# KiCad board imx8x_carrier_v1.kicad_pcb (continued)
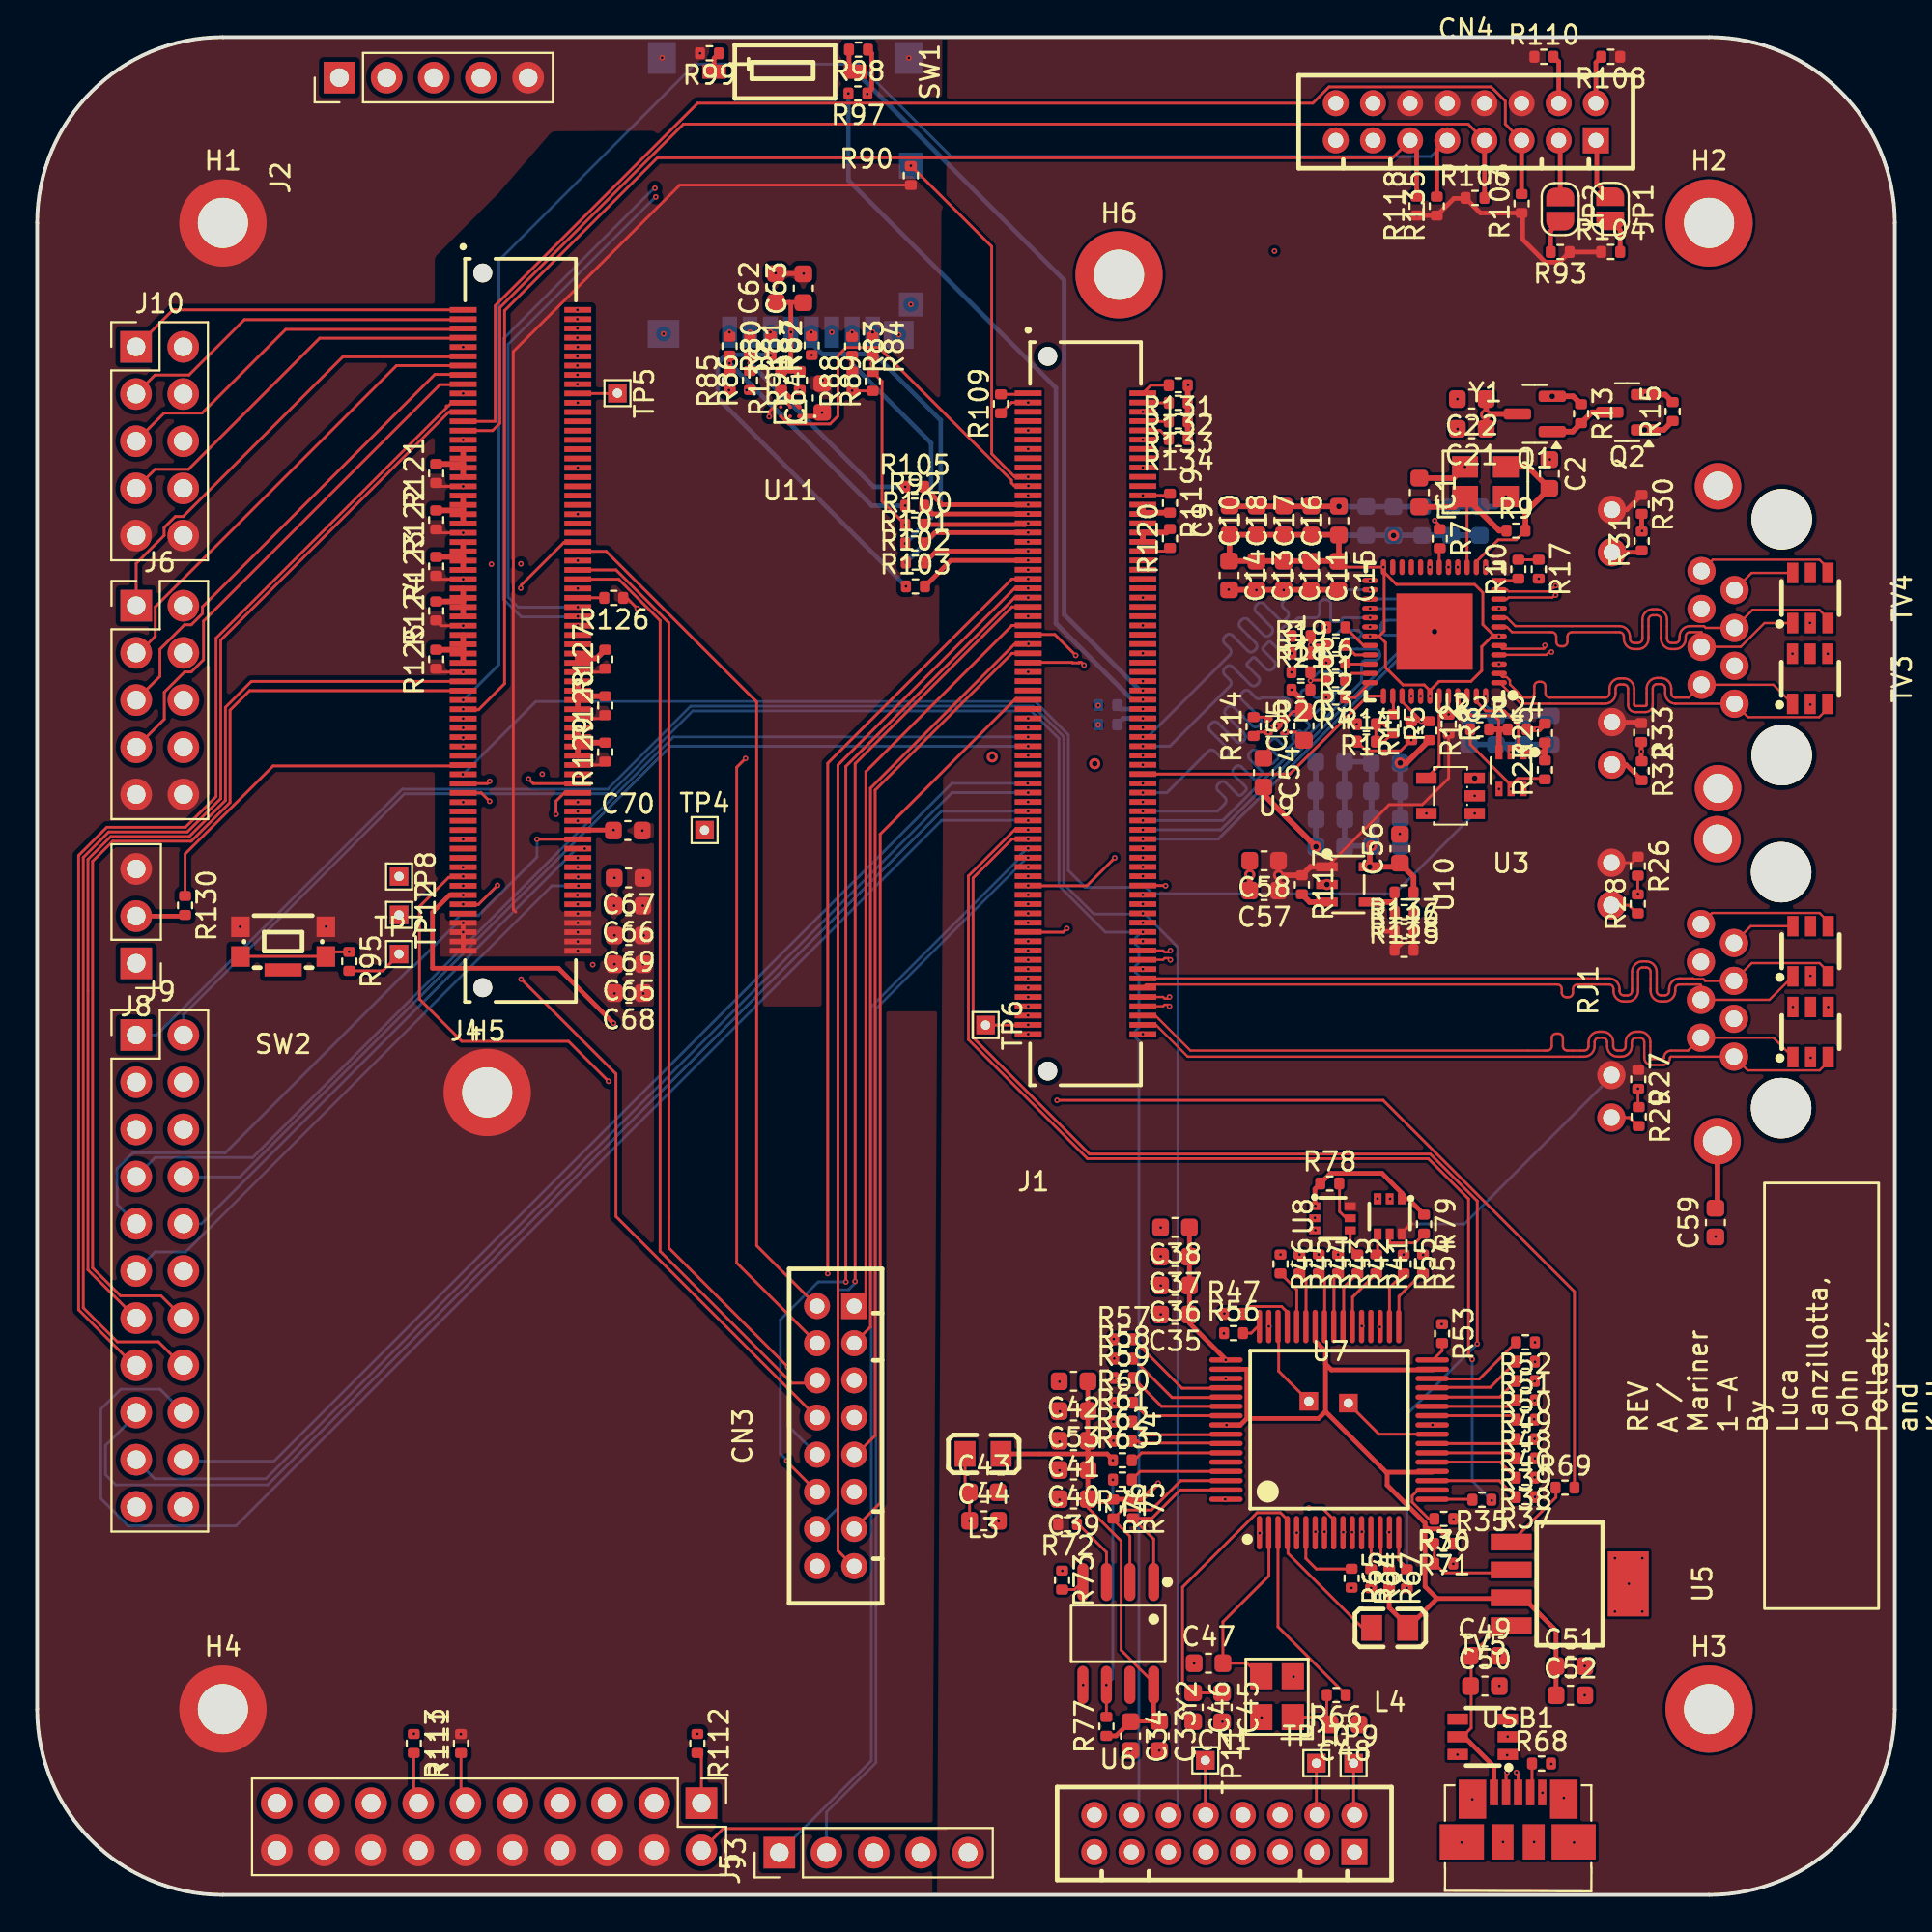
[diagram p0: board, top side]
## Nets (continued)
VCC_LDO_SD1: J1.33 R85.1 R86.1 R87.1 R88.1 R89.1 R91.1
VCC_QSPI_1V8: J4.20 TP5.1
VCC_SCU_1V8: J4.93 R97.1 R98.1
VDD_ADC_1V8: C70.1 J4.114 TP4.1
VDD_ETH_1V0: C9.1 C10.1 C11.1 C12.1 C13.1 C14.1 C15.1 C16.1 C17.1 C18.1 C55.1 Q1.2 R13.1 U1.6 U1.24 U1.31 U1.42 U9.1
/Debug USB - UART/DEBUG_USB_DN: TV5.1 U4.7 USB1.2
/Debug USB - UART/DEBUG_USB_DP: TV5.6 U4.8 USB1.3
/Debug USB - UART/DEBUG_USB_ID: R68.1 USB1.4
/Debug USB - UART/FTDI_OSCI: C47.2 U4.2 Y2.3
/Debug USB - UART/FTDI_OSCO: C48.2 R66.2 Y2.1
/Debug USB - UART/M40_UART0_RX: R41.1 U8.4
/Debug USB - UART/M40_UART0_TX: R42.1 U7.4
ETH1_A_TX_N: RJ2.2 TV3.1 U1.2
ETH1_A_TX_P: RJ2.1 TV3.3 U1.1
ETH1_B_TX_N: RJ2.6 TV3.6 U1.5
ETH1_B_TX_P: RJ2.3 TV3.4 U1.4
ETH1_C_TXCLK_N: RJ2.5 TV4.3 U1.8
ETH1_C_TXCLK_P: RJ2.4 TV4.1 U1.7
ETH1_D_RXDV_N: RJ2.8 TV4.4 U1.11
ETH1_D_RXDV_P: RJ2.7 TV4.6 U1.10
ETH1_LED0: R32.1 R33.2 U3.6
ETH1_LED1: R30.2 R31.2 U3.4
LED0_LINK: R23.2 R25.1 U1.47 U3.1
LED2_ACT: R22.2 R24.1 U1.45 U3.3
SD1_SPWR: R136.1 U11.B1
USB_OTG2_VBUS: J1.02 R131.2
X_ADMA_I2C0_SCL: CN1.8 CN4.1 J4.66 JP1.1
X_ADMA_I2C0_SDA: CN1.6 CN4.3 J4.68 JP2.1
X_ADMA_I2C1_SCL: CN4.5 J4.25 R107.2
X_ADMA_I2C1_SDA: CN4.7 J4.27 R106.2
X_ADMA_I2C2_SCL: CN4.9 J4.85 R135.2
X_ADMA_I2C2_SDA: CN4.11 J4.87 R118.2
X_ADMA_I2C3_SCL: CN4.2 J1.112 R108.2
X_ADMA_I2C3_SDA: CN4.4 J1.107 R110.2
X_ADMA_SPI0_CS0: CN3.1 J1.51
X_ADMA_SPI0_CS1: CN3.3 J1.55 U2.2
X_ADMA_SPI0_SCK: CN3.5 J1.53
X_ADMA_SPI0_SDI: CN3.7 J1.59
X_ADMA_SPI0_SDO: CN3.9 J1.57
X_ADMA_SPI1_CS0: CN3.2 J4.54
X_ADMA_SPI1_CS1: CN3.4 J1.73
X_ADMA_SPI1_SCK: CN3.6 J4.60
X_ADMA_SPI1_SDI: CN3.8 J4.52
X_ADMA_SPI1_SDO: CN3.10 J4.58
X_ADMA_SPI2_CS0: CN3.11 J1.41
X_ADMA_SPI2_CS1: CN3.13 J1.67
X_ADMA_SPI2_SCK: CN3.15 J1.43
X_ADMA_SPI2_SDI: CN3.12 J1.45
X_ADMA_SPI2_SDO: CN3.14 J1.47
X_ADMA_UART0_CTS_B: J1.81
X_ADMA_UART0_RTS_B: J1.83
X_ADMA_UART0_RX: J1.97 R34.1
X_ADMA_UART0_TX: J1.95 R35.1
X_ADMA_UART1_CTS_B: J1.113 J2.4
X_ADMA_UART1_RTS_B: J1.115 J2.3
X_ADMA_UART1_RX: J1.117 J2.1
X_ADMA_UART1_TX: J1.119 J2.2
X_ADMA_UART2_RX: J1.99 J3.1
X_ADMA_UART2_TX: J1.101 J3.2
X_BOOT_MODE0: J1.66 R98.2 SW1.2
X_BOOT_MODE1: J1.68 R97.2
X_BOOT_MODE2: J1.70 R94.1
X_BOOT_MODE3: J1.72 R96.1
X_CONN_ENET1_REFCLK: J1.106 R7.1
X_CONN_ENET1_RX_CTL: J1.104
X_CONN_ENET1_RX_CTRL: R5.2 R14.2 R16.1
X_CONN_ENET1_RXC: J1.86 R6.2
X_CONN_ENET1_RXD0: J1.102 R1.2 R19.2 R21.1
X_CONN_ENET1_RXD1: J1.94 R2.2
X_CONN_ENET1_RXD2: J1.92 R3.2 R18.2 R20.1
X_CONN_ENET1_RXD3: J1.88 R4.2
X_CONN_ENET1_TX_CTL: J1.84 U1.37
X_CONN_ENET1_TXC: J1.78 U1.29
X_CONN_ENET1_TXD0: J1.96 U1.28
X_CONN_ENET1_TXD1: J1.98 U1.27
X_CONN_ENET1_TXD2: J1.76 U1.26
X_CONN_ENET1_TXD3: J1.82 U1.25
X_CONN_ETH0_MDC: J1.135 U1.16
X_CONN_ETH0_MDIO: J1.133 U1.17
X_CONN_ETH1_PHY_INT: R8.1 U1.44
X_CONN_USB_OTG2_DN: J1.08 R133.2
X_CONN_USB_OTG2_DP: J1.10 R134.2
X_CONN_USB_OTG2_ID: J1.04 R132.2
X_CONN_USB_OTG2_OC: J1.22
X_CONN_USB_OTG2_PWR: J1.16
X_CONN_USDHC1_CD_B: Card1.9 J1.19 R90.2
X_CONN_USDHC1_CLK: Card1.5 R87.2 R102.1
X_CONN_USDHC1_CMD: R82.2 R103.1
X_CONN_USDHC1_DATA0: R83.2 R88.2 R101.1
X_CONN_USDHC1_DATA1: R84.2 R89.2 R100.1
X_CONN_USDHC1_DATA2: R80.2 R85.2 R92.1
X_CONN_USDHC1_DATA3: R81.2 R86.2 R105.1
X_CONN_USDHC1_RESET_B: J1.21 U11.A3
X_CONN_USDHC1_VSELECT: J1.15
X_CONN_USDHC1_WP: J1.17
X_ETH0_A_TX_N: J1.136 RJ1.2 TV1.1
X_ETH0_A_TX_P: J1.138 RJ1.1 TV1.3
X_ETH0_B_TX_N: J1.132 RJ1.6 TV1.6
X_ETH0_B_TX_P: J1.134 RJ1.3 TV1.4
X_ETH0_C_TXCLK_N: J1.128 RJ1.5 TV2.3
X_ETH0_C_TXCLK_P: J1.130 RJ1.4 TV2.1
X_ETH0_D_RXDV_N: J1.122 RJ1.8 TV2.4
X_ETH0_D_RXDV_P: J1.124 RJ1.7 TV2.6
X_ETH0_INT: J1.137 TP6.1
X_ETH0_LED0: J1.123 R27.2 R29.1
X_ETH0_LED1: J1.125 R26.2 R28.2
X_ETH_GPIO0: J1.127 R11.2 R12.1 U1.39
X_ETH_GPIO1: J1.129 U1.40
X_LSIO_GPIO0_IO13: CN1.12 J1.114 J9.1
X_LSIO_GPIO0_IO14: CN1.14 J1.118 J9.2
X_LSIO_GPIO0_IO15: J1.116 J9.3
X_LSIO_GPIO0_IO16: J1.110 J9.4
X_LSIO_GPIO1_IO09: J4.116 J9.9
X_LSIO_GPIO1_IO10: J4.118 J9.10
X_LSIO_GPIO1_IO12: J4.126 J9.11
X_LSIO_GPIO1_IO13: J4.128 J9.22
X_LSIO_GPIO1_IO14: J4.122 J9.21
X_LSIO_GPIO1_IO25: J4.23 J9.16
X_LSIO_GPIO1_IO26: J4.21 J9.15
X_LSIO_GPIO1_IO29: J4.81 J9.13
X_LSIO_GPIO1_IO30: J4.83 J9.14
X_LSIO_QSPI0A_DATA0: J4.02 J10.2
X_LSIO_QSPI0A_DATA1: J4.04 J10.4
X_LSIO_QSPI0A_DATA2: J4.06 J10.6
X_LSIO_QSPI0A_DATA3: J4.08 J10.8
X_LSIO_QSPI0A_DQS: J4.07 J10.7
X_LSIO_QSPI0A_SCLK: J4.05 J10.5
X_LSIO_QSPI0A_SS0_B: J4.01 J10.1
X_LSIO_QSPI0A_SS1_B: J4.03 J10.3
X_LSIO_QSPI0B_DATA0: J4.12 J6.2
X_LSIO_QSPI0B_DATA1: J4.14 J6.4
X_LSIO_QSPI0B_DATA2: J4.16 J6.6
X_LSIO_QSPI0B_DATA3: J4.18 J6.8
X_LSIO_QSPI0B_DQS: J4.17 J6.7
X_LSIO_QSPI0B_SCLK: J4.15 J6.5
X_LSIO_QSPIOB_SS0_B: J4.11 J6.1
X_LSIO_QSPIOB_SS1_B: J4.13 J6.3
X_LSO_GPIO0_IO19: J1.105 J9.5
X_LSO_GPIO0_IO20: J1.109 J9.6
X_LSO_GPIO0_IO30: J1.75 J9.7
X_LSO_GPIO0_IO31: J1.77 J9.8
X_LSO_GPIO1_IO17: J1.85 J9.20
X_LSO_GPIO1_IO18: J1.87 J9.19
X_LSO_GPIO1_IO19: J1.93 J9.18
X_LSO_GPIO1_IO20: J1.91 J9.17
X_M40_UART0_RX: J4.121 U8.3
X_M40_UART0_TX: J4.124 U7.3
X_ON_OFF_BUTTON: J4.99 R130.1
X_PGOOD: J4.105 R69.2
X_PMIC_EWARN: J4.109
X_PMIC_INT_B: J4.117
X_PMIC_WDI: J4.119
X_POR_B_1V8: J4.101 U2.1
X_POR_B_3V3: J4.103 J5.15
X_SCU_JTAG_TCK: J4.102 J5.9
X_SCU_JTAG_TDI: J4.106 J5.5
X_SCU_JTAG_TDO: J4.104 R113.1
X_SCU_JTAG_TMS: J4.108 J5.7
X_SCU_JTAG_TRST_B: J4.110 J5.3
X_SCU_PMIC_ON_REQ: J4.111
X_SCU_PMIC_STANDBY: J4.113
X_SCU_WDOG0_WDOG_OUT: CN1.16 J4.123 TP8.1
~{X_nRESET_IN}: J4.91 R95.1 SW2.1 SW2.2
Net-(Card1-CD/DAT3): Card1.2 R81.1
Net-(Card1-CMD): Card1.3 R82.1
Net-(Card1-DAT0): Card1.7 R83.1
Net-(Card1-DAT1): Card1.8 R84.1
Net-(Card1-DAT2): Card1.1 R80.1
Net-(Card1-VDD): C62.1 C63.1 Card1.4 R91.2 R136.2
Net-(CN1-Pad2): CN1.2 TP9.1
Net-(CN1-Pad4): CN1.4 TP10.1
Net-(CN1-Pad10): CN1.10 TP11.1
Net-(J1-A1): J1.01 R109.2
Net-(J1-A13): J1.25 R105.2
Net-(J1-A14): J1.27 R92.2
Net-(J1-A15): J1.29 R100.2
Net-(J1-A16): J1.31 R101.2
Net-(J1-A18): J1.35 R102.2
Net-(J1-A19): J1.37 R103.2
Net-(J1-B13): J1.26 J1.28 R119.2
Net-(J1-B16): J1.32 J1.34 R120.2
Net-(J4-C16): J4.31 J4.33 J4.35 J4.37 R121.2
Net-(J4-C21): J4.41 J4.43 J4.45 J4.47 R122.2
Net-(J4-C26): J4.51 J4.53 J4.55 J4.57 R123.2
Net-(J4-C31): J4.61 J4.63 J4.65 J4.67 R124.2
Net-(J4-C36): J4.71 J4.73 J4.75 J4.77 R125.2
Net-(J4-D32): J4.64 R126.2
Net-(J4-D38): J4.76 J4.78 R127.2
Net-(J4-D41): J4.82 J4.84 J4.86 J4.88 R128.2
Net-(J4-D46): J4.92 J4.94 J4.96 J4.98 R129.2
Net-(J5-JTAG_RTCK): J5.11 R111.1
Net-(J5-JTAG_TDO): J5.13 R113.2
Net-(J5-TREF): J5.1 R112.2
Net-(J8-Pin_2): J8.2 R130.2
Net-(JP1-B): JP1.2 R104.2
Net-(JP2-B): JP2.2 R93.2
Net-(Q1-D): C19.1 C20.1 C21.1 C22.1 C23.1 C24.1 Q1.3 U1.13 U1.48
Net-(Q1-G): Q1.1 Q2.3 R13.2
Net-(R10-Pad2): R10.2 R17.1
Net-(R99-Pad1): R99.1 SW1.1
Net-(R115-Pad1): R115.1 R137.2 R138.2
Net-(RJ1-L-): R29.2 RJ1.9
Net-(RJ1-R-): R28.1 RJ1.11
Net-(RJ2-L-): R32.2 RJ2.9
Net-(RJ2-R-): R31.1 RJ2.11
Net-(U1-CLK_OUT): R7.2 U1.18
Net-(U1-RBIAS): R10.1 U1.12
Net-(U1-RESET_N): U1.43 U2.4
Net-(U1-RX_CLK): R6.1 U1.32
Net-(U1-RX_CTRL): R5.1 U1.38
Net-(U1-RX_D0): R1.1 U1.33
Net-(U1-RX_D1): R2.1 U1.34
Net-(U1-RX_D2): R3.1 U1.35
Net-(U1-RX_D3): R4.1 U1.36
Net-(U1-X_I): C1.2 R9.1 U1.15 Y1.1
Net-(U1-X_O): C2.2 R9.2 U1.14 Y1.3
Net-(U4-ACBUS0): R48.2 U4.26
Net-(U4-ACBUS1): R49.2 U4.27
Net-(U4-ACBUS2): R50.2 U4.28
Net-(U4-ACBUS3): R51.2 U4.29
Net-(U4-ACBUS4): R52.2 U4.30
Net-(U4-ACBUS5): R53.2 U4.32
Net-(U4-ACBUS6): R54.2 U4.33
Net-(U4-ACBUS7): R55.2 U4.34
Net-(U4-ADBUS0): R34.2 U4.16
Net-(U4-ADBUS1): R35.2 U4.17
Net-(U4-ADBUS2): R36.2 U4.18
Net-(U4-ADBUS3): R37.2 U4.19
Net-(U4-ADBUS4): R38.2 U4.21
Net-(U4-ADBUS5): R39.2 U4.22
Net-(U4-ADBUS6): R40.2 U4.23
Net-(U4-ADBUS7): TP2.1 U4.24
Net-(U4-BCBUS0): R56.2 U4.48
Net-(U4-BCBUS1): R57.2 U4.52
Net-(U4-BCBUS2): R58.2 U4.53
Net-(U4-BCBUS3): R59.2 U4.54
Net-(U4-BCBUS4): R60.2 U4.55
Net-(U4-BCBUS5): R61.2 U4.57
Net-(U4-BCBUS6): R62.2 U4.58
Net-(U4-BCBUS7): R63.2 U4.59
Net-(U4-BDBUS0): R41.2 U4.38
Net-(U4-BDBUS1): R42.2 U4.39
Net-(U4-BDBUS2): R43.2 U4.40
Net-(U4-BDBUS3): R44.2 U4.41
Net-(U4-BDBUS4): R45.2 U4.43
Net-(U4-BDBUS5): R46.2 U4.44
Net-(U4-BDBUS6): R47.2 U4.45
Net-(U4-BDBUS7): TP1.1 U4.46
Net-(U4-EECLK): R76.2 U4.62 U6.2
Net-(U4-EECS): R75.2 U4.63 U6.1
Net-(U4-EEDATA): R74.1 U4.61
Net-(U4-OSCO): R66.1 U4.3
Net-(U4-REF): R65.1 U4.6
Net-(U4-TEST): R64.1 U4.13
Net-(U4-VPHY): C45.1 C46.1 L4.2 U4.4
Net-(U4-VPLL): C43.1 C44.1 L3.2 U4.9
Net-(U4-~{RESET}): R67.1 U4.14
Net-(U5-ADJ): R70.1 R71.2 U5.2
Net-(U5-EN): R69.1 U5.1
Net-(U6-DI): R72.1 U6.3
Net-(U6-DO): R73.2 U6.4
Net-(U6-ORG): R74.2 R77.2 U6.6
Net-(U7-OE): R78.2 U7.5
Net-(U8-OE): R79.2 U8.5
Net-(U9-EN): R114.2 U9.3
Net-(U10-ADJ): R115.2 R116.2 U10.4
Net-(U10-EN): R117.2 U10.3

Pads without a net: CN3 16; J1 05 07 11 14 20 38 42 44 48 50 54 56 60 62 63 65 69; J3 3 4; J4 24 26 28 30 32 34 38 40 42 44 48 50 72 74 97 131; J5 17 19; J9 12; SW2 5; TV1 5; TV2 5; TV3 5; TV4 5; TV5 3 4; U1 20 21 22 23 46; U4 36 60; U6 7; U11 A2 B3

## Via types
v1: diameter 0.3, hole 0.15, SIG1 to SIG3, 428 vias
v2: diameter 0.6, hole 0.3, SIG1 to SIG3, 16 vias

## Routing (per net, layer and track width the routed paths; a pad name or vN(x,y) marks a point on that pad's centre or on a via; arc(x,y) is an arc through that point)
1V8_FTDI: length 32.1
  SIG1 w0.25: C38.1 62.03,31.2 62.03,31.19 62.03,30.77 64.01,28.79
  PWR w0.25: v1(71.31,30.62) 69.48,28.79 65.78,28.79 ; 65.78,28.79 v1(63.98,28.79) ; 65.78,28.79 65.78,23.12 ; 65.78,23.12 66.88,22.02 70.21,22.02 71.31,20.92 v1(71.31,19.54) ; 65.78,23.12 v1(63.96,21.29)
3V3_FTDI: length 92.2
  SIG1 w0.15: 60.1,11.18 60.1,11.42 58.35,13.17 58.35,19.05 56.57,20.83 C39.1
  SIG1 w0.25: U6.8 60.1,9.8 60.54,9.36 ; L4.1 75.36,15.95 ; 75.36,15.95 79.39,15.95 ; 75.36,15.95 74.71,16.59 74.71,19.85 ; 68.8,30.59 68.8,29.81 69.35,29.26 69.35,28.58 ; 73.96,14.28 72.78,15.46 R67.2 ; 60.39,9.36 58.88,9.36 58.08,8.56 R77.1 ; C42.1 56.56,27.64 56.56,21.17 57.83,21.17 57.96,21.29 59.03,21.29 ; 69.35,28.58 69.35,26.02 ; 69.35,28.58 69.67,28.26 75.15,28.26 ; R75.1 59.47,21.29 v1(60.34,22.16) ; 74.71,19.85 74.71,20.01 72.67,22.05 72.67,22.7 ; 74.71,19.85 74.87,19.69 75.45,19.69 76.23,18.91 ; 56.54,23.74 57.59,23.74 57.91,23.42 ; 56.54,23.74 L3.1 ; 56.54,23.74 56.56,23.75 56.56,24.49 ; 75.12,22.75 72.62,22.75 69.35,26.02 ; 64.05,25.28 64.76,25.28 65.12,25.64 ; U5.3 80,15.99 81.76,14.23 81.76,10.68 ; U4.50 65.12,28.29 65.12,28.29 65.12,25.64 ; 65.12,25.64 68.98,25.64 69.35,26.02
  PWR w0.25: v1(60.34,22.16) 60.89,22.16 v1(64.02,25.29)
  vias: v1(57.91,23.39)
GND: length 80.2
  SIG1 w0.15: R123.1 21.66,70.82 v1(22.93,70.82) ; v1(22.93,73.32) 21.66,73.32 R122.1 ; R128.1 30.4,63.32 v1(29.1,63.32) ; v1(59.52,72.33) 60.81,72.33 R120.1 ; v1(59.52,75.33) 60.89,75.33 R119.1 ; v1(66.71,62.91) 66.82,62.91 U9.2 67.61,63.7 C55.2 ; R121.1 21.66,75.82 v1(22.93,75.82) ; v1(29.1,65.82) 30.4,65.82 R127.1 ; R125.1 21.66,65.82 v1(22.93,65.82) ; R124.1 21.76,68.32 v1(22.93,68.32) ; R109.1 52.46,80.33 v1(53.35,80.33) ; 60.73,54.33 60.73,54.33 J1.108 ; v1(29.1,60.82) 30.4,60.82 R129.1 ; v1(32.3,69.25) 31.74,69.81 R126.1 ; v1(39.41,79.57) 39.41,79.86 39.92,80.37 40.29,80.37 40.56,80.09
  SIG1 w0.25: R137.1 v1(72.28,51.87) ; C62.2 41.23,87.27 C63.2 ; v1(73.58,51.37) 73.08,50.87 R138.1 73.07,51.86 73.08,51.87
  SIG1 w0.3: 80.18,62.74 v1(80.73,62.74) 80.85,62.74 R25.2 ; C54.2 66.01,59.24 v2(68.84,56.42) ; R15.2 87.64,80.76 Q2.2 ; v2(73.37,60.93) 73.71,60.93 R12.2 ; v1(67.52,64.87) 68.19,64.2 C55.2 ; C15.2 70.02,70.25 C14.2 ; C9.2 64.21,74.74 v2(70.08,74.74) ; C1.1 76.25,76.26 v1(76.86,76.87) ; R131.1 R134.1 ; C58.2 v2(65.27,54.91) C57.2
  SIG3 w0.3: v1(79.06,75.27) 78.52,74.72 C3.2 70.09,74.72 v2(70.08,74.74) ; C29.2 68.83,56.43 v2(68.84,56.42) ; C19.2 78.93,61.92 v1(79.34,61.51) ; C27.2 73.37,56.48 v2(73.37,60.93) ; C20.2 C24.2
  vias: v1(10.92,52.11) v1(15.55,52.12) v1(22.81,8.64) v1(22.93,83.32) v1(22.93,80.82) v1(22.93,78.32) v1(22.93,63.32) v1(22.93,61.82) v1(22.93,58.82) v1(22.93,56.82) v1(22.93,54.32) v1(29.1,83.32) v1(29.1,80.32) v1(29.1,76.82) v1(29.1,74.32) v1(29.1,71.82) v1(29.1,70.32) v1(29.1,68.32) v1(29.1,57.82) v1(29.1,55.82) v1(29.1,53.32) v1(31.08,54.74) v1(31.06,53.24) v1(31.08,51.64) v1(31.08,50.09) v1(31.08,48.52) v1(32.58,57.29) v1(33.64,98.89) v1(33.72,84.03) v1(35.68,99.13) v1(39.75,87.3) v1(41.26,87.27) v1(42.28,81.54) v1(42.77,84.12) v1(46.38,83.98) v1(46.92,98.88) v1(47.03,85.61) v1(51.73,21.64) v1(51.76,20.12) v1(53.35,78.83) v1(53.35,77.83) v1(53.35,75.33) v1(53.35,71.33) v1(53.35,68.83) v1(53.35,65.83) v1(53.35,63.33) v1(53.35,61.33) v1(53.35,58.83) v1(53.35,55.33) v1(53.35,53.33) v1(53.35,50.83) v1(53.35,48.33) v1(53.35,46.33) v1(55.03,27.62) v1(55.03,24.39) v1(55.03,22.84) v1(55.03,21.27) v1(55.06,26.02) v1(55.18,17.44) v1(56.31,11.29) v1(57.12,64.02) v1(57.12,62.98) v1(57.93,25.47) v1(57.93,24.44) v1(57.96,29.92) v1(57.98,28.87) v1(57.98,27.82) v1(57.98,26.47) v1(58.86,7.77) v1(59.52,79.83) v1(59.52,78.33) v1(59.52,76.83) v1(59.52,73.83) v1(59.52,71.33) v1(59.52,69.83) v1(59.52,68.33) v1(59.52,66.83) v1(59.52,65.33) v1(59.52,62.83) v1(59.52,61.33) v1(59.52,58.83) v1(59.52,56.33) v1(59.52,51.33) v1(59.52,49.83) v1(59.52,46.33) v1(60.41,7.77) v1(60.48,35.92) v1(60.48,34.37) v1(60.48,32.79) v1(60.48,31.24) v1(60.74,54.32) v1(61.96,81.28) v1(61.96,80.31) v1(61.94,79.33) v1(61.94,78.33) v1(62.23,9.32) v1(62.28,12.46) v1(63.81,9.32) v1(63.91,31.29) v1(63.88,30.22) v1(63.98,27.79) v1(64.14,70.26) v1(65.63,70.24) v1(65.81,19.47) v1(65.91,9.54) v1(66.3,30.6) v1(66.61,88.48) v1(66.93,34.47) v1(67.1,70.24) v1(67.53,67.77) v1(67.63,11.74) v1(67.81,19.49) v1(67.96,34.47) v1(68.78,36.44) v1(68.98,34.47) v1(70.03,34.47) v1(70.31,19.52) v1(70.78,19.52) v1(70.76,16.52) v1(71.03,63.02) v1(71.18,9.19) v1(71.81,16.52) v1(72.28,30.57) v1(72.78,19.52) v1(72.83,37.47) v1(73.35,57.11) v1(73.56,34.47) v1(74.61,34.44) v1(75.11,25.29) v1(75.61,30.72) v1(76.24,20.21) v1(76.23,17.82) v1(76.45,80.52) v1(76.46,78.91) v1(76.68,2.82) v1(77.26,5.14) v1(78.71,12.87) v1(78.71,11.25) v1(78.91,2.84) v1(79.16,8.52) v1(80.63,29.74) v1(80.63,28.69) v1(80.61,27.64) v1(80.61,26.62) v1(80.58,25.59) v1(80.61,24.54) v1(80.63,23.49) v1(80.61,22.47) v1(80.63,21.42) v1(80.58,2.84) v1(80.83,70.85) v1(81.03,5.49) v1(81.43,77.27) v1(81.51,7.04) v1(82.18,5.22) v1(82.73,2.82) v1(83.31,12.32) v1(83.31,10.74) v1(84.93,18.12) v1(84.93,15.24) v1(85.68,16.74) v1(86.41,18.12) v1(86.41,15.24) v1(86.56,80.74) v1(90.35,35.44) v1(95.43,68.47) v1(95.45,64.07) v1(95.46,49.47) v1(95.47,45.06) v2(69.43,54.39) v2(75.22,68) v2(77.38,60.11)
GNDPWR: length 3.8
  SIG1 w0.15: 90.34,40.6 90.35,40.61
  SIG1 w0.3: 90.32,36.88 90.45,37.01 RJ1.14
VBUS_DEBUG_USB: length 11.6
  SIG1 w0.15: C49.1 78.75,14.47 79.28,14.47 ; TV5.5 76.72,8.51 77.19,8.98 77.19,12.97 77.19,12.97
  SIG1 w0.25: 76.63,8.49 76.83,8.49 78.42,6.91 USB1.1
VCC_1V8_OUT: length 238.8
  SIG1 w0.15: R14.1 71.54,61.58 73.4,61.58 v1(73.97,62.16) ; 79.34,59.73 77.14,61.93 R22.1 ; 79.34,59.73 v1(79.34,59.53) ; 79.34,59.73 79.71,60.1 81.11,60.1 R23.1 ; C54.1 66.28,61.45 v1(66.28,62.58) U9.4 65.69,62.59 R114.1
  SIG1 w0.25: 31.03,46.91 28.06,49.88 21.28,49.88 21.28,52.9 22.2,53.82 v1(22.93,53.82) ; R78.1 69.62,38.84 72.4,38.84 73.47,37.77 73.47,37.5 ; 74.69,36.59 73.81,37.47 U8.1 ; 69.09,38.31 68.78,38 U7.1
  GND1 w0.15: v2(51.41,61.26) 51.78,60.89 v2(56.93,60.89)
  PWR w0.15: v2(56.93,60.89) 57.39,60.43 64.13,60.43 v1(66.28,62.58) ; 67.52,66.39 67.52,66.82 v1(67.53,66.83) ; 67.52,66.39 v1(67.52,65.81) ; 67.52,66.39 66.28,65.15 v1(66.28,62.58) ; 79.36,59.5 77.67,57.81 75.18,57.81 v1(74.78,58.21) ; v1(74.78,58.21) 73.97,59.02 v1(73.97,62.16) ; v1(74.78,58.21) 74.78,53.38 68.79,47.39 68.79,37.09 ; v1(66.28,62.58) 66.28,61.35 71.67,55.96 74.78,55.96 ; v2(51.41,61.26) 51.39,61.28 51.39,61.9 43.66,69.63 41.3,69.63 41.28,69.65 30.24,69.65 30.17,69.72 28.79,69.72 23.56,64.49 23.56,54.22 23.16,53.82 v1(22.93,53.82) 21.51,53.82 20.44,52.75 TP12.1
  SIG2 w0.25: v1(68.8,37.09) 62.29,37.09 57.51,32.31 57.51,29.24 36.92,8.66 v1(35.54,8.66) 35.54,42.41 v1(31.03,46.92)
VCC_3V3: length 56.9
  SIG1 w0.15: R90.1 34.59,92.04 25.63,83.08 25.63,53.04 25.76,52.91
  SIG1 w0.25: v1(22.93,52.32) 22.93,50.79
  PWR w1: 70.85,2.3 70.86,2.29
  vias: v1(22.93,51.82) v1(29.11,52.82) v1(29.11,52.32) v1(29.11,51.82) v1(29.11,51.32) v1(29.11,50.82) v1(32.61,53.24) v1(32.63,54.74) v1(32.66,51.64) v1(32.63,50.09) v1(32.63,48.52)
VCC_3V3_OUT: length 192.5
  SIG1 w0.15: 19.47,50.61 18.6,49.74 R95.2 ; v1(24.78,54.34) 23.75,53.31 22.92,53.31 ; J5.2 36.93,3.57 48.93,3.57 ; v1(73.93,36.11) 73.46,35.63 U8.6 ; R8.2 v1(75.98,62.5) 75.98,60.11 74.56,58.69 72.78,58.69 U10.1 ; RJ1.12 85.85,55.56 86.16,55.87
  SIG1 w0.25: RJ2.12 85.57,74.56 R30.1 ; 84.22,88.44 84.21,88.43 R93.1 81.95,87.89 81.19,87.89 79.97,89.11 79.97,90.57 ; 76.88,91.32 76.27,91.32 R135.1 ; R33.1 86.29,63.13 RJ2.10 ; R118.1 75.33,90.4 75.33,90.39 ; 76.91,91.32 77.69,90.53 R107.1 ; U11.A1 42.05,79.59 C64.1
  SIG1 w0.3: 66.82,54.86 66.84,54.88 R117.1 68.54,55.34 U10.1 ; 66.82,54.86 v2(66.82,54.88) C58.1 ; 66.82,54.86 C57.1
  PWR w0.15: v1(24.78,54.34) 24.78,55.26 26.86,57.34 26.86,59.99 v1(27.19,60.33) ; 37.16,80.6 37.08,80.6 36.29,81.38 36.29,84.41 42.29,90.41 v1(74.26,90.41) ; 37.16,80.6 34.81,80.6 26.04,71.83 v1(26.04,71.65) ; 37.16,80.6 41.44,80.6 v1(42.25,79.79) ; RJ2.10 83.98,62.34 76.14,62.34 v1(75.98,62.5) ; J8.1 18.98,50.14 TP7.1 22.16,53.32 v1(22.93,53.32)
  PWR w0.25: RJ2.12 83.79,73.57 83.79,64.12 RJ2.10
  SIG2 w0.15: v1(26.04,71.65) 27.19,70.5 v1(27.19,60.33)
  SIG3 w0.15: v1(73.93,36.11) 76.82,36.11 84.77,44.06
